# Altium PCB GT502W_QC10.PcbDoc (part 1 of 2) (continued)
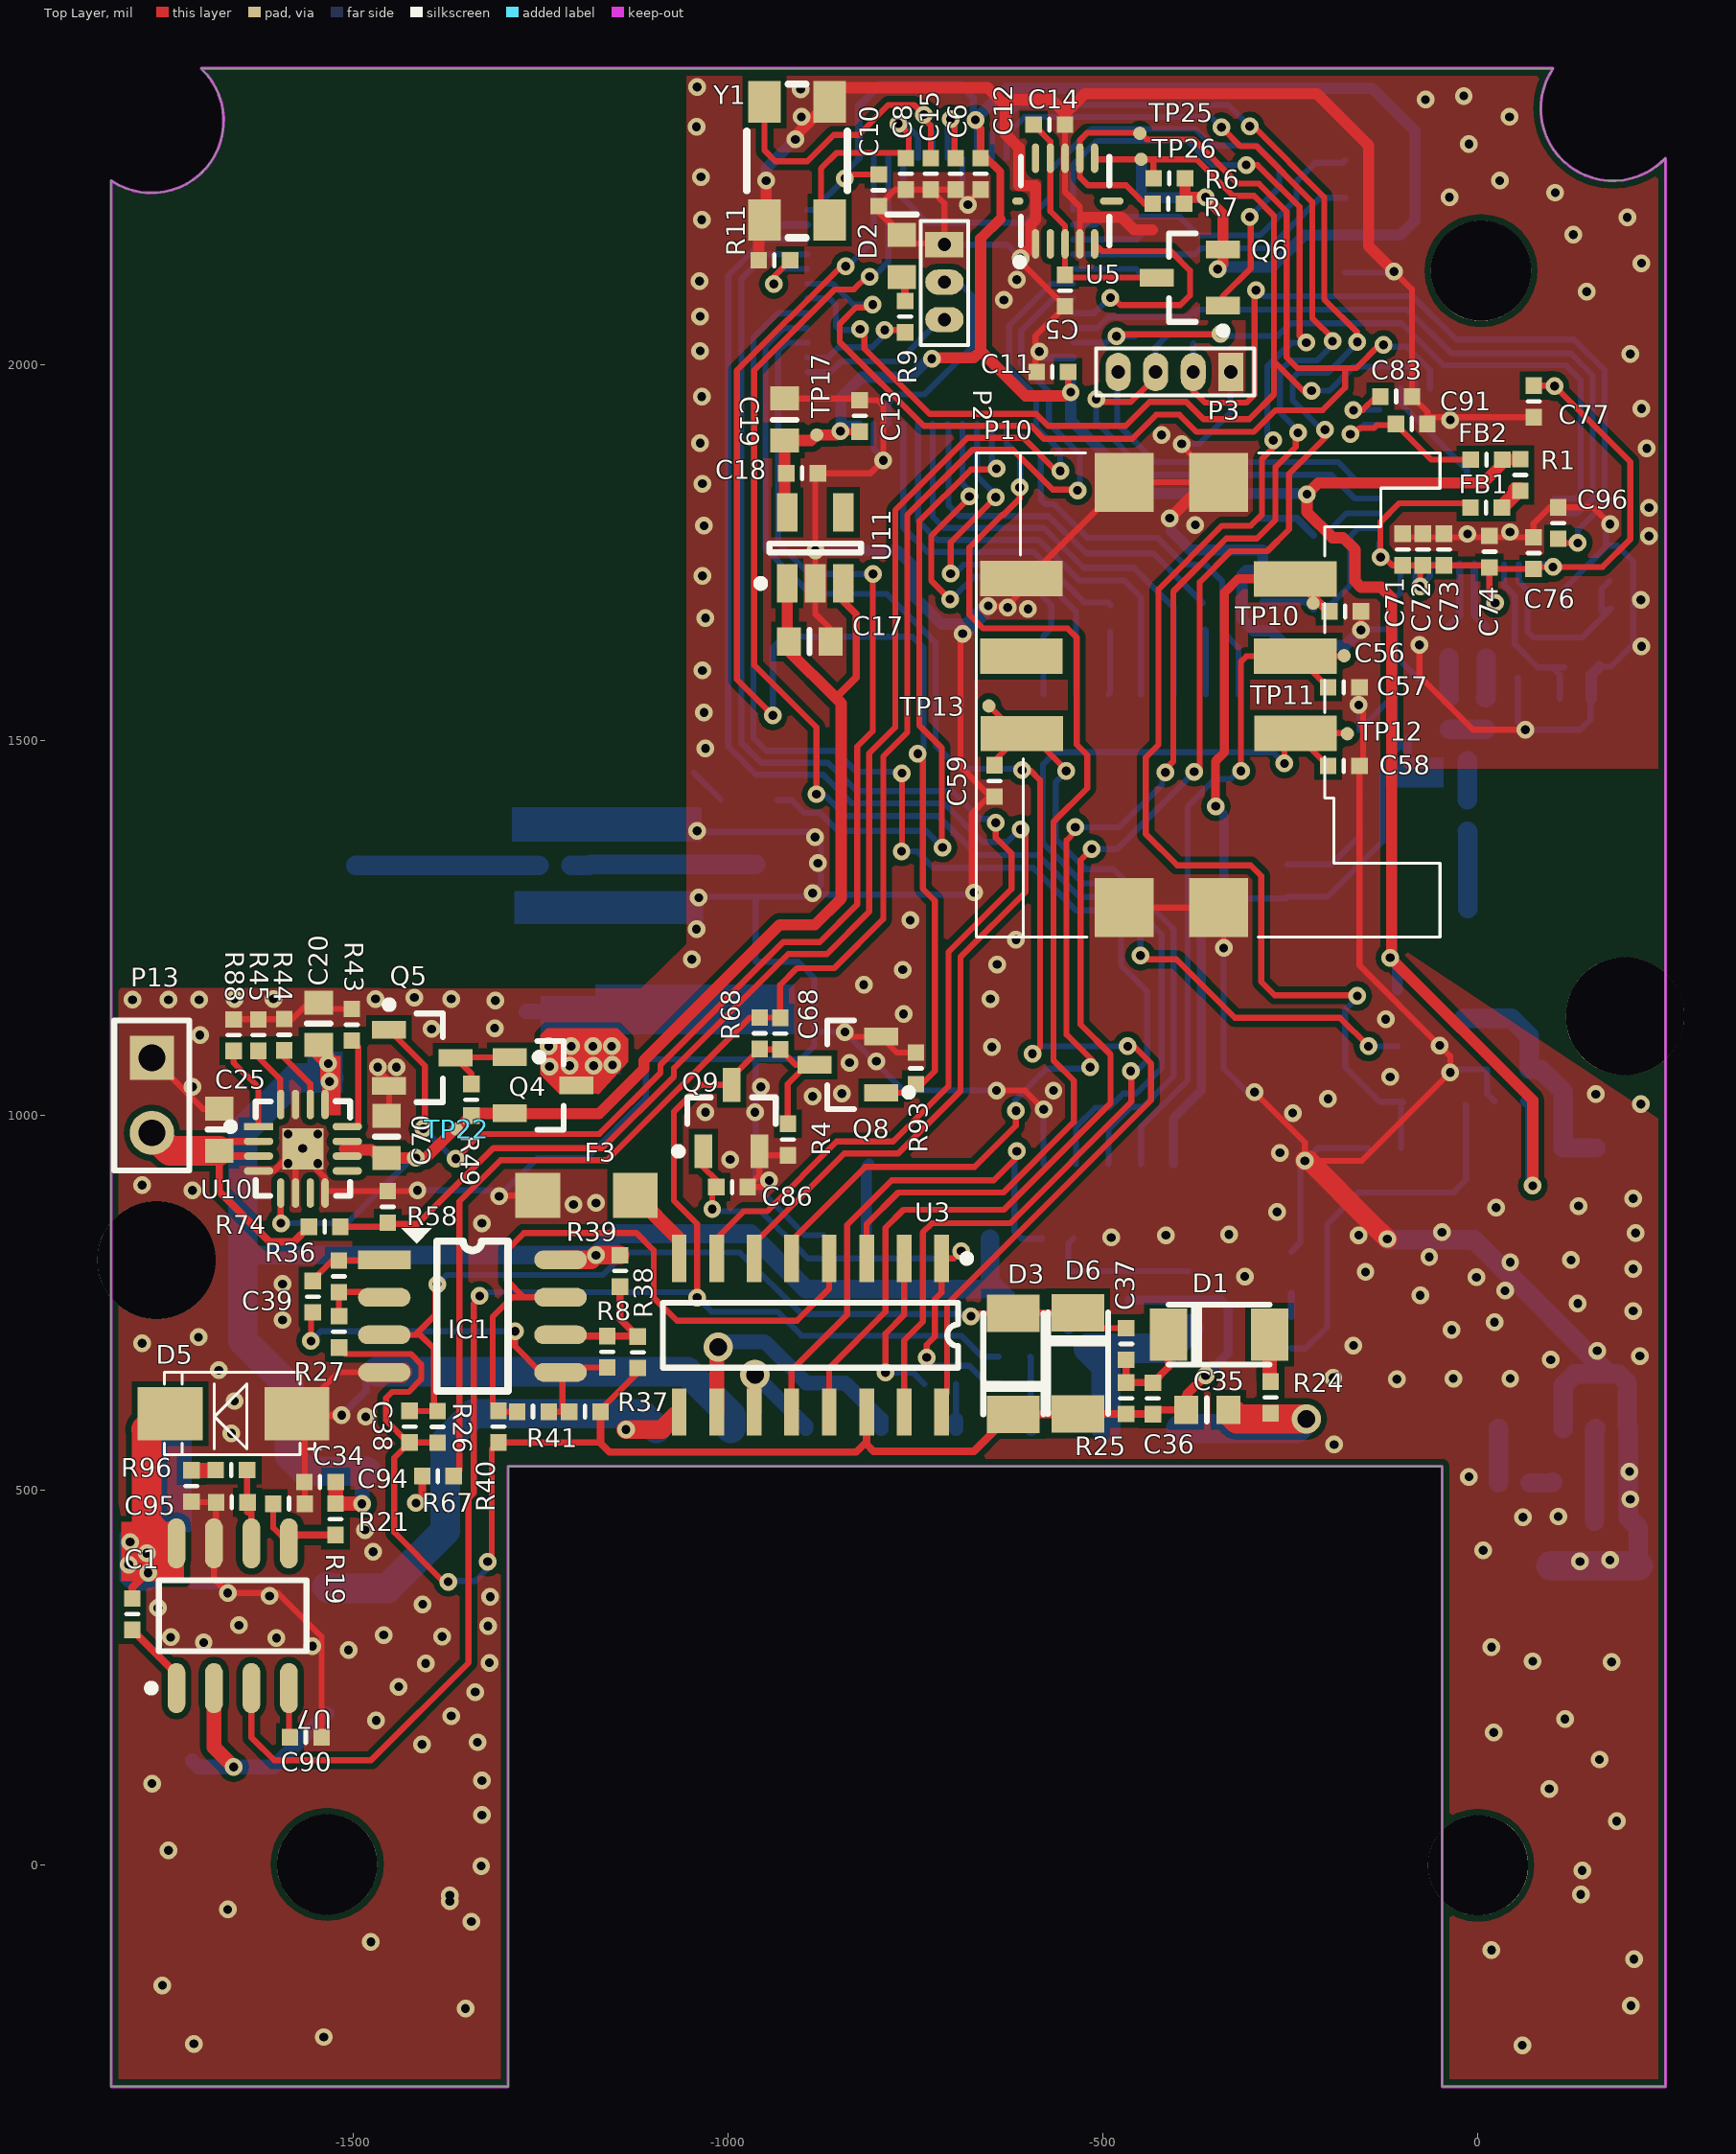
[diagram p0: Top Layer view]
## Components (designator, comment, footprint, x,y, rotation, side; value= is the part's Value field where it differs from the comment) (continued)
P10 "SIM CARD HOLDER" "SIM MF01-412-063X" -668.76,1560.43 r180 top locked
P13 "BAT" HDR1X2 -1768.09,1076.47 r270 top
P22 "IPEX" IPEX 155.55,429.07 r0 bottom
P33 "IPEX" IPEX -1082.97,1333.47 r270 bottom
Q1 "J3Y" SOT23_123 -546.31,792.05 r270 bottom
Q2 "2TY" SOT23_123 -385.68,791.52 r270 bottom
Q3 "BSS84" SOT23-3 -63.24,1129.4 r0 bottom
Q4 "AO3401A" SOT23-3 -1246.46,1039.91 r0 top
Q5 "BSS138" SOT23-3 -1407.55,1076.55 r0 top
Q6 "BSS84" SOT23-3 -384.25,2116.79 r180 top locked
Q8 "BSS138" SOT23-3 -840.08,1067.29 r180 top
Q9 "BSS138" SOT23-3 -995.31,996.18 r90 top
R1 "0.022R-1%" R0402#1 56.48,1853.64 r90 top
R3 "105k-1%" R0402#1 -618.07,678.24 r0 bottom
R4 "26.1k-1%" R0402#1 -920.18,967.61 r90 top
R6 "4k7-5%" R0402#1 -411.61,2249.27 r0 top
R7 "4k7-5%" R0402#1 -412.84,2215.13 r0 top
R8 "220k-5%" R0402#1 -1160.87,684.66 r270 top
R9 "1k-5%" R0402#1 -763.78,2064.71 r270 top
R11 "10k-5%" R0402#1 -938.07,2139.72 r0 top
R19 "38.3k-1%" R0402#1 -1523.37,461.28 r90 top
R21 "10k-1%" R0402#1 -1585.28,482.05 r180 top
R22 "1k-5%" R0402#1 -629.73,835.41 r180 bottom
R23 "1k-5%" R0402#1 -560.44,836.04 r180 bottom
R24 "330k-5%" R0402#1 -276.63,623.81 r270 top
R25 "470k-1%" R0402#1 -469.18,622.63 r270 top
R26 "470k-5%" R0402#1 -1387.33,584.44 r270 top
R27 "330R-5%" R0402#1 -1518.59,711.22 r90 top
R28 "1k-5%" R0402#1 -248.82,710.88 r90 bottom
R31 "1k-5%" R0402#1 -490.73,1665.64 r90 bottom
R33 "1k-5%" R0402#1 -364.05,1668.57 r90 bottom
R35 "1k-5%" R0402#1 -157.41,1404.76 r270 bottom
R36 "220k-5%" R0402#1 -1518.91,785.23 r270 top
R37 "2.2M-5%" R0402#1 -1190.75,604.74 r180 top
R38 "10k-5%" R0402#1 -1120.3,684.05 r270 top
R39 "10k-5%" R0402#1 -1143.95,792.32 r270 top
R40 "10k-5%" R0402#1 -1306.13,584.85 r90 top
R41 "470k-5%" R0402#1 -1259.93,604.65 r0 top
R43 "1k1-5%" R0402#1 -1501.58,1120.61 r90 top
R44 "47k-5%" R0402#1 -1591.75,1107.33 r90 top
R45 "3k-5%" R0402#1 -1625.97,1106.83 r90 top
R49 "10k-5%" R0402#1 -1342.13,1020.61 r90 top
R58 "100k-5%" R0402#1 -1453.58,877.83 r270 top
R60(NA) "1k-5%" R0402#1 -379.3,2050.07 r270 bottom
R61(NA) "1k-5%" R0402#1 -436.29,2038.65 r0 bottom
R67 "100k-5%" R0402#1 -1386.76,518.88 r0 top
R68 "10k-1%" R0402#1 -957.57,1109.25 r90 top
R74 "100k-5%" R0402#1 -1537.8,851.32 r180 top
R77 "10R-5%" R0402#1 48.69,509.63 r180 bottom
R78 "0R" R0402#1 -1230.59,1333.11 r180 bottom
R82 "10k-5%" R0402#1 -617.21,642.41 r180 bottom
R83 "10k-5%" R0402#1 -717.08,641.83 r0 bottom
R88 "10k-5%" R0402#1 -1659.06,1106.83 r90 top
R93 "100k-5%" R0402#2 -749.31,1062.45 r0 top
R96 "64.9k-1%" R0402#1 -1715.35,505.65 r90 top
R99 "56k-5%" R0402#1 -110.57,1668.76 r90 bottom
TP1 "TP" TEST_POINT -99.63,1017.13 r180 bottom
TP2 "TP" TEST_POINT -16.93,1013.92 r180 bottom
TP3 "TP" TEST_POINT -519.43,1685.85 r180 bottom
TP5 "TP" TEST_POINT -387.54,1705.93 r180 bottom
TP6 "TP" TEST_POINT -448.96,1639.39 r90 bottom
TP7 "TP" TEST_POINT -405.26,1636.64 r90 bottom
TP8 "TP" TEST_POINT -535.15,1639.02 r180 bottom
TP9 "TP" TEST_POINT -577.05,1639.04 r270 bottom
TP10 "TP" TEST_POINT -219.83,1682.68 r90 top
TP11 "TP" TEST_POINT -178.49,1612.6 r90 top
TP12 "TP" TEST_POINT -174.16,1508.66 r90 top
TP13 "TP" TEST_POINT -652.11,1545.69 r90 top
TP15 "TP" TEST_POINT 111.46,1010.91 r180 bottom
TP16 "TP" TEST_POINT -1045.24,1456.29 r180 bottom
TP17 "TP" TEST_POINT -881.49,1907.05 r90 top
TP22 "TP" TEST_POINT -1362.04,981.49 r0 top
TP23 "TP" test_point -1269.21,1138.56 r90 bottom
TP24 "TP" TEST_POINT -473.9,2094.53 r270 bottom
TP25 "TP" TEST_POINT -450.83,2309.15 r180 top
TP26 "TP" TEST_POINT -449.25,2274.5 r180 top
U1 "L70R" MAX7 27.17,769.43 r180 bottom
U3 "ULN2003A/SO" SO16-150mil -890.09,706.66 r180 top locked
U4 "STM32F103CBT6TR" TQFP-48-P0.5 -717.1,2098.78 r270 bottom locked
U5 "MMA7660FC" MMA7660FC -550.54,2218.85 r90 top locked
U7 "TPS54232" SOIC127P600-8AL -1660.38,332.68 r90 top
U10 "bq24073" pq24073 -1566.75,955.3 r0 top
U11 "XC6209B332MRN_SOT-25" SOT23-5 -883.56,1756.26 r90 top
U12 "GC10" GC10 -595.02,1580.54 r270 bottom locked
U13 "MX25L8005MC-15G_SOP-8L" SO8-200mil -312.95,2198.31 r180 bottom locked
U20 "CC2540_RHA_40" CC254x -14.67,1851.78 r180 bottom locked
Y1 "8.000 MHZ" "SMD CRYSTAL 4 X 2.5" -907.91,2272.32 r270 top
Y3 "32Mhz" "SMD CRYSTAL 2.5 x 2" 130.12,1637.26 r270 bottom
Y4 "NX3215SA MUA-8 12.5pF" Crystal-3.2x1.5 -219.22,1773.45 r270 bottom

## Footprints (in the part's own frame and the unit in brackets; to place one, negate y for a bottom-side part, rotate by r counter-clockwise, add the part's x,y. Pads: shape width x height; smd on the part's side, far side on the other; paste and mask are expansions set on the pad)
A10192-ANTENOVA [mm]
  rect 0.8x1 smd: 1(-1.4,-0.8) 1(-1.4,0.8) 2(1.4,0)
  body extent -2,-1.52 2,1.48, height 1.3
A10343-GSM850/900/1800/1900/WCDMA [mm] "http://www.antenova-m2m.com/products/giganova-standard-antennas"
  rect 1x2.5 smd: 1(-13.49,3.96)
  rect 1.5x1.5 smd: 2(11.81,0.95) 3(11.81,7) 4(0,7) 5(0,0.95)
  silkscreen extent -14.24,0 12.76,7.95, body extent -14.25,0 12.76,7.95, height 3.3
C0402 [mil]
  rect 22x22 smd: 1(-21,0) 2(21,0)
  silkscreen extent 0,-8 0,8, body extent -20,-10 20,10, height 20
C0603 [mil]
  rect 32x38 smd: 1(0,0) 2(56,0)
  silkscreen extent 28,-16 28,16, body extent -4,-16 59,16, height 12
C1206 [mil]
  rect 60x60 smd: 1(-3.93,0) 2(114.18,0)
  silkscreen extent -55,-31 79,32, body extent -8,-31 118,31, height 63
C1812 [mil]
  rect 80x120 smd: 1(0,0) 2(200.6,0)
  silkscreen extent -67,-59 158,59, body extent -20,-63 216,63, height 99
"CAPACITOR SIZE_C(D5.3)" [mm]
  rect 2.5x1.5 smd: 1(0,0) 2(5.9,0)
  silkscreen extent -1,-2.65 5.6,2.65, body extent 0,-2.65 5.9,2.65, height 5.4
CC254x [mm]
  rect 0.28x0.85 smd: 1(2.25,2.975) 2(1.75,2.975) 3(1.25,2.975) 4(0.75,2.975) 5(0.25,2.975) 6(-0.25,2.975) 7(-0.75,2.975) 8(-1.25,2.975) 9(-1.75,2.975) 10(-2.25,2.975) 21(-2.25,-2.975) 22(-1.75,-2.975) 23(-1.25,-2.975) 24(-0.75,-2.975) 25(-0.25,-2.975) 26(0.25,-2.975) 27(0.75,-2.975) 28(1.25,-2.975) 29(1.75,-2.975) 30(2.25,-2.975)
  rect 0.85x0.28 smd: 11(-2.975,2.251) 12(-2.975,1.75) 13(-2.975,1.25) 14(-2.975,0.75) 15(-2.975,0.25) 16(-2.975,-0.25) 17(-2.975,-0.75) 18(-2.975,-1.25) 19(-2.975,-1.75) 20(-2.975,-2.251) 31(2.975,-2.251) 32(2.975,-1.75) 33(2.975,-1.25) 34(2.975,-0.75) 35(2.975,-0.25) 36(2.975,0.25) 37(2.975,0.75) 38(2.975,1.25) 39(2.975,1.75) 40(2.975,2.251)
  rect 4.5x4.5 smd: 41(0,0)
  silkscreen extent -3.33,-3.33 3.33,3.33, body extent -3.1,-3.08 3.05,3.08, height 1.07
Crystal-3.2x1.5 [mm] "DSX321G"
  rect 1x1.8 smd: 1(0,0) 2(2.5,0)
  silkscreen extent -0.6,-1 3.1,1, body extent -0.36,-0.76 2.86,0.76, height 0.93
DO-213AA [mil]
  rect 50x70 smd: 1(0,0) 2(135,0)
  silkscreen extent 0,-40 135,40, body extent -1,-29 137,28, height 56
"DO-214AC (SMA)" [mm]
  rect 2.2x1.8 smd: 1(-0.899,-0.5) 2(3.397,-0.5)
  silkscreen extent -1.7,-1.9 3.6,0.9, body extent -1.3,-1.8 3.9,0.8, height 2.3
GC10 [mm]
  rect 3x0.8 smd: 1(0.5,7.7)
  rrect50% 3x0.8 smd: 2(0.5,6.6) 3(0.5,5.5) 4(0.5,4.4) 5(0.5,-0.4) 6(0.5,-1.5) 7(0.5,-2.6) 8(0.5,-3.7) 9(0.5,-4.8) 10(0.5,-5.9) 11(0.5,-7) 21(16.4,-7) 22(16.4,-5.9) 23(16.4,-4.8) 24(16.4,-3.7) 25(16.4,-2.6) 26(16.4,-1.5) 27(16.4,-0.4) 28(16.4,4.4) 29(16.4,5.5) 30(16.4,6.6) 31(16.4,7.7) 41(16.4,1.45) 42(16.4,2.55) 43(0.5,2.55) 44(0.5,1.45)
  rrect50% 0.8x3 smd: 12(4.05,-8.65) 13(5.15,-8.65) 14(6.25,-8.65) 15(7.35,-8.65) 16(8.45,-8.65) 17(9.55,-8.65) 18(10.65,-8.65) 19(11.75,-8.65) 20(12.85,-8.65) 32(12.85,9.35) 33(11.75,9.35) 34(10.65,9.35) 35(9.55,9.35) 36(8.45,9.35) 37(7.35,9.35) 38(6.25,9.35) 39(5.15,9.35) 40(4.05,9.35)
  silkscreen extent -0.65,-9.15 16.9,9.85
HDR1X2 [mm] "Connector; Header; 2 Position"
  rect 1.5x1.5 hole 0.9: 1(0,0)
  round 1.5 hole 0.9: 2(2.54,0)
  silkscreen extent -1.27,-1.27 3.81,1.27
HDR1X8 [mm] "Connector; Header; 8 Position"
  rect 1.5x2 smd: 1(0,0) 2(2.54,0) 3(5.08,0) 4(7.62,0) 5(10.16,0) 6(12.7,0) 7(15.24,0) 8(17.78,0)
  silkscreen extent -1.27,-1.27 19.05,1.27
HEADER_1.27mm_3PIN [mm]
  rect 0.85x1.3 hole 0.45: 1(0,0)
  oval 0.85x1.3 hole 0.45: 2(1.27,0) 3(2.54,0)
  silkscreen extent -0.8,-0.8 3.4,0.8
HEADER_1.27mm_4PIN [mm]
  rect 0.85x1.3 hole 0.45: 1(-2.54,0)
  oval 0.85x1.3 hole 0.45: 2(-1.27,0) 3(0,0) 4(1.27,0)
  silkscreen extent -3.34,-0.8 2.02,0.8
IPEX [mm]
  rect 1x1 smd: 1(0,-0.75)
  rect 1.05x2.2 smd: 2(-1.475,0.75) 3(1.475,0.75)
  silkscreen extent -1.5,-0.8 1.5,2.3
LED0603-G [mil]
  rect 32x38 smd: 1(-28,0) 2(28,0)
  silkscreen extent 55,-20 55,19, body extent -32,-16 32,16, height 43
MAX7 [mm]
  rect 0.8x1.8 smd: 1(4.4,4.75) 2(3.3,4.75) 3(2.2,4.75) 4(1.1,4.75) 5(0,4.75) 6(-1.1,4.75) 7(-2.2,4.75) 8(-3.3,4.75) 11(-3.3,-4.75) 12(-2.2,-4.75) 13(-1.1,-4.75) 14(0,-4.75) 15(1.1,-4.75) 16(2.2,-4.75) 17(3.3,-4.75) 18(4.4,-4.75)
  rect 0.7x1.8 smd: 9(-4.4,4.75) 10(-4.4,-4.75)
  silkscreen extent -5.05,-4.85 5.05,4.85, body extent -5.05,-4.87 5.07,4.84, height 0.56
MMA7660FC [mm] "QFN, 12-Leads, Body 3,0x3,0mm (max), Pitch 0,50mm, IPC Medium Density"
  oval 1x0.25 smd: 1(-1.45,1) 2(-1.45,0.5) 3(-1.45,0) 4(-1.45,-0.5) 5(-1.45,-1) 6(1.45,-1) 7(1.45,-0.5) 8(1.45,0) 9(1.45,0.5) 10(1.45,1)
  oval 0.25x0.8 smd: 11(0,-1.58)
  oval 0.25x0.381 smd: 12(0,1.6)
  silkscreen extent -2.19,-1.5 1.5,1.66, body extent -1.5,-1.5 1.5,1.5, height 0.9
pq24073 [mm]
  rect 1x0.25 smd: 1(-1.5,0.75)
  oval 1x0.25 smd: 2(-1.5,0.25) 3(-1.5,-0.25) 4(-1.5,-0.75) 9(1.5,-0.75) 10(1.5,-0.25) 11(1.5,0.25) 12(1.5,0.75)
  oval 0.25x1 smd: 5(-0.75,-1.5) 6(-0.25,-1.5) 7(0.25,-1.5) 8(0.75,-1.5) 13(0.75,1.5) 14(0.25,1.5) 15(-0.25,1.5) 16(-0.75,1.5)
  rect 1.4x1.4 smd: 17(0,0)
  silkscreen extent -2.57,-1.6 1.6,1.61, body extent -1.58,-1.57 1.58,1.58, height 1
PTC1206 [mil]
  rect 60x60 smd: 1(-65,0) 2(65,0)
  body extent -60,-50 66,51, height 27
R0402#1 [mil]
  rect 22x22 smd: 1(-21,0) 2(21,0)
  silkscreen extent 0,-8 0,8, body extent -20,-10 20,10, height 14
R0402#2 [mil]
  rect 22x22 smd: 1(0,-21) 2(0,21)
  silkscreen extent -8,0 8,0, body extent -10,-20 10,20, height 14
SD8350-5R6-R [mil] "Using in PJ2000V1"
  rect 202.73x72 smd: 1(0,82.6) 2(0,-82.6)
  silkscreen extent -110,-125 109,130
"SIM MF01-412-063X" [mm] "http://www.fcn.com.tw/zh/product/ProductList.aspx?Type=13"
  rect 2.8x1.2 smd: 1(-10.8,-3.93) 2(-10.8,-1.31) 3(-10.806,1.295) 5(-1.52,-3.94) 6(-1.526,-1.315) 7(-1.54,1.31)
  rect 2x2 smd: 8(-8.2,7.2) 9(-5,-7.2) 10(-8.2,-7.2) 11(-5,7.2)
  silkscreen extent -15.7,-8.2 0,8.2, body extent -15.7,-8.2 10,8.2, height 2.9
"SMD CRYSTAL 2.5 x 2" [mil]
  rect 47.23x39.37 smd: 1(-39.33,-31.46) 2(39.33,-31.46) 3(39.33,31.46) 4(-39.33,31.46)
  silkscreen extent -71,-59 71,59, body extent -49,-39 49,39, height 22
"SMD CRYSTAL 4 X 2.5" [mm]
  rect 1.4x1.1 smd: 1(-2,-1.1) 2(2,-1.1) 3(2,1.1) 4(-2,1.1)
  silkscreen extent -2.6,-1.7 2.6,1.7, body extent -2,-1.2 2,1.3, height 0.63
SO8-200mil [mm] "8-Pin Plastic Medium Body Small Outline Package 1.27 mm Pitch, IPC Low Density"
  rect 2.5x0.7 smd: 1(-3.45,1.905) 2(-3.45,0.635) 3(-3.45,-0.635) 4(-3.45,-1.905) 8(3.45,1.905)
  rect 2.5x0.6 smd: 5(3.45,-1.905) 7(3.45,0.635)
  oct 2.5x0.6 smd: 6(3.45,-0.635)
  silkscreen extent -3.57,-2.7 1.8,2.93, body extent -3.05,-2.4 2.95,2.5, height 1.7
SO16-150mil [mm] "Small Outline; 16 Leads; Body Width 3.9 mm; Pitch 1.27 mm"
  rect 0.5x1.6 smd: 1(-4.445,-2.6) 2(-3.175,-2.6) 3(-1.905,-2.6) 4(-0.635,-2.6) 5(0.635,-2.6) 6(1.905,-2.6) 7(3.175,-2.6) 8(4.445,-2.6) 9(4.445,2.6) 10(3.175,2.6) 11(1.905,2.6) 12(0.635,2.6) 13(-0.635,2.6) 14(-1.905,2.6) 15(-3.175,2.6) 16(-4.445,2.6)
  silkscreen extent -5.42,-2.72 5,1.1, body extent -4.95,-3.1 4.95,3.1, height 1.7
soic8 [mil]
  rect 70x25 smd: 1(0,0)
  oval 70x25 smd: 2(0,-50) 3(0,-100) 4(0,-150) 5(235,-150) 6(235,-100) 7(235,-50) 8(235,0)
  silkscreen extent 23,-175 165,42, body extent -1,-171 235,21, height 69
SOIC127P600-8AL [mm] "SOIC, 8-Leads, Body 4.9x3.9mm, Pitch 1.27mm, IPC High Density"
  oval 1.7x0.6 smd: 1(-2.45,1.905) 2(-2.45,0.635) 3(-2.45,-0.635) 4(-2.45,-1.905) 5(2.45,-1.905) 6(2.45,-0.635) 7(2.45,0.635) 8(2.45,1.905)
  silkscreen extent -2.57,-2.5 1.2,2.88, body extent -2,-2.5 2,2.5, height 2.72
SOT23-3 [mm] "SOT23, 3-Leads, Body 2.9x1.3mm, Pitch 0.95mm, Lead Span 2.4mm, IPC Medium Density"
  rect 1.15x0.6 smd: 1(-1.125,0.95) 2(-1.125,-0.95) 3(1.125,0)
  silkscreen extent -1.25,-1.5 0.7,1.92, body extent -1.27,-1.46 1.28,1.46, height 0.99
SOT23-5 [mm] "SOT23, 5-Leads, Body 2.9x1.6mm, Pitch 0.95mm, Lead Span 2.8mm, IPC Low Density"
  rect 1.3x0.7 smd: 1(-1.2,0.95) 2(-1.2,0) 3(-1.2,-0.95) 4(1.2,-0.95) 5(1.2,0.95)
  silkscreen extent -1.32,-1.55 0.15,1.97, body extent -0.9,-1.55 0.9,1.55, height 1.45
SOT23_123 [mil]
  rect 40x50 smd: 1(0,0) 2(76,0) 3(38,80)
  silkscreen extent -21,-20 97,100, body extent -21,-9 97,89, height 44
TEST_POINT [mm]
  round 0.45 smd paste-1 mask+0: 1(0,0)
test_point [mm]
  round 0.45 smd paste-1 mask+0: 1(0,0)
TQFP-48-P0.5 [mm] "Thin QFP, 48-Leads, Body 7x7mm, Pitch 0.5mm, IPC Medium Density"
  rect 1.2x0.254 smd: 1(-4.5,2.75) 2(-4.5,2.25) 3(-4.5,1.75) 4(-4.5,1.25) 5(-4.5,0.75) 6(-4.5,0.25) 7(-4.5,-0.25) 8(-4.5,-0.75) 9(-4.5,-1.25) 10(-4.5,-1.75) 11(-4.5,-2.25) 26(4.5,-2.25) 27(4.5,-1.75) 28(4.5,-1.25) 29(4.5,-0.75) 30(4.5,-0.25) 31(4.5,0.25) 32(4.5,0.75) 33(4.5,1.25) 34(4.5,1.75) 35(4.5,2.25) 36(4.5,2.75)
  rect 1.092x0.254 smd: 12(-4.5,-2.75)
  rect 0.254x1.2 smd: 13(-2.75,-4.5) 14(-2.25,-4.5) 15(-1.75,-4.5) 16(-1.25,-4.5) 17(-0.75,-4.5) 18(-0.25,-4.5) 19(0.25,-4.5) 20(0.75,-4.5) 21(1.25,-4.5) 22(1.75,-4.5) 23(2.25,-4.5) 24(2.75,-4.5) 37(2.75,4.5) 38(2.25,4.5) 39(1.75,4.5) 40(1.25,4.5) 41(0.75,4.5) 42(0.25,4.5) 43(-0.25,4.5) 44(-0.75,4.5) 45(-1.25,4.5) 46(-1.75,4.5) 47(-2.25,4.5) 48(-2.75,4.5)
  rect 1.143x0.254 smd: 25(4.5,-2.75)
  silkscreen extent -5.71,-4.5 4.5,4.5, body extent -4.5,-4.5 4.5,4.5, height 1.5

## Part data
C1 C94: library part Cap, "Capacitor"
C5 C6 C10 C11 C12 C13 C14 C18 C39 C49 C55 C56 C68 C71 C72 C73 C74 C76 C77 C86 C91: library part Cap, "CAP CER 0.1UF 16V Y5V 0402"
C8 C15: library part Cap, "CAP CER 15PF 50V 5% NPO 0402"
C17 C19 C20: library part Cap, "CAP CER 1UF 16V Y5V 0603"
C21: library part Cap2, "Capacitor"
C22: library part "Cap Pol3", "CAP ALUM 10UF 35V 20% SMD"
C25 C40 C70: library part Cap, "CAP CER 10UF 6.3V 20% X5R 0603"
C32: library part 4.7uF-10V-C0805, "Non-Polarized Capacitor"
C34: library part 1nF-50V-C0805, "Non-Polarized Capacitor"
C35: library part CN2, "CAP CER 0.1UF 50V Y5V 0603"
C36: library part 1nF-50V-C0805, "CAP CER 3300PF 50V 10% X7R 0402"
C37 C90: library part 10nF-50V-C0805, "Non-Polarized Capacitor"
C38: library part 2.2nF-50V-C0805, "CAP CER 2200PF 50V 10% X7R 0402"
C48: library part "Cap Pol3", "CAP CER 100UF 10V 20% X5R 1812"
C51 C96: library part 10nF-16V-C0402-10%, "CAP CER 10000PF 16V 10% X7R 0402"
C53: library part Cap, "CAP CER 68PF 50V 5% NPO 0402"
C57 C58 C59: library part Cap, "CAP CER 47PF 50V 5% NPO 0402"
C62 C63: library part 0.5pF-50V-C0805, "Non-Polarized Capacitor"
C80 C81 C82: library part 1pF
C83: library part Cap, "CAP CER 1UF 6.3V Y5V 0402"
C95: library part 9pF-50V-C0805, "Non-Polarized Capacitor"
D1 D3 D6: "DIODE SMALL SIG 100V 0.2A ALF2"
D2 D9 D14: library part LED2, "LED GREEN CLEAR THIN 0603 SMD"
D4: library part Diode, "DIODE GEN PURPOSE 1000V 1A SMA"
D5: library part "D Schottky", "DIODE SCHOTTKY 40V 3A SMA"
E1: "Generic Antenna"
E2: library part "Header 5", "Header, 5-Pin"
F3: library part "Fuse 2", "PTC RESETTABLE SMD 1206 16V .25A"
FB1 FB2 L2 L3 L4 L5 L68: library part Inductor, "Inductor"
IC1: "Low-Power Dual Operational Amplifier"
L1: library part Inductor, "Digikey part SD8350-4R7-R"
P2: library part "Header 3", "NA"
P3: library part "Header 4", "Header, 4-Pin"
P4: "Header, 8-Pin"
P10: library part "SIM CARD", "SIM _CONNECTOR_410108105011-2LF"
P13: library part "Header 2", "Header, 2-Pin"
Q1: library part NPN_123, "NPN Bipolar Transistor"
Q2: library part PNP_123, "PNP Bipolar Transistor"
Q3 Q6: library part MOSFET-P, "MOSFET P-CH 50V 130MA SOT23-3"
Q4: library part MOSFET-P, "MOSFET P-CH -30V -4.3A SOT23"
Q5 Q8 Q9: library part MOSFET-P, "MOSFET N-CH 50V 200MA SOT23-3"
R1: library part 0.022R-1%-R0805, "RES 0.022 OHM 1/4W 1% 0805 SMD"
R3: library part 105k-1%-R0805, "RES 105k OHM 1/4W 1% 0805 SMD"
R4: library part 26.1k-1%-R0805, "RES 26.1k OHM 1/4W 1% 0805 SMD"
R6 R7: library part Res1, "RES 4.7K OHM 1/16W 5% 0402 SMD"
R8 R36: library part 220k-5%-R0805, "RES 220k OHM 1/8W 5% 0805 SMD"
R9 R28 R31 R33 R35 R60(NA) R61(NA): library part Res1, "RES 1.0K OHM 1/16W 5% 0402 SMD"
R11 R49 R82 R83 R88: library part Res1, "RES 10K OHM 1/16W 5% 0402 SMD"
R19: library part 38.3k-1%-R0805, "RES 38.3k OHM 1/4W 1% 0805 SMD"
R21: library part 10k-1%-R0805, "RES 10k OHM 1/4W 1% 0805 SMD"
R22 R23: library part 1k-5%-R0805, "RES 1k OHM 1/8W 5% 0805 SMD"
R24: library part 330k-5%-R0805, "RES 330k OHM 1/8W 5% 0805 SMD"
R25: library part 470k-1%-R0805, "RES 470k OHM 1/4W 1% 0805 SMD"
R26 R41: library part 470k-5%-R0805, "RES 470k OHM 1/8W 5% 0805 SMD"
R27: library part 330R-5%-R0805, "RES 330 OHM 1/8W 5% 0805 SMD"
R37: library part 2.2M-5%-R0805, "RES 2.2M OHM 1/8W 5% 0805 SMD"
R38 R39 R40: library part 10k-5%-R0805, "RES 10k OHM 1/8W 5% 0805 SMD"
R43: library part Res1, "RES 1.1K OHM 1/16W 5% 0402 SMD"
R44: library part Res1, "RES 47K OHM 1/16W 5% 0402 SMD"
R45: library part Res1, "RES 1.5K OHM 1/16W 5% 0402 SMD"
R58 R67 R74 R93: library part Res1, "RES 100K OHM 1/16W 5% 0402 SMD"
R68: library part Res1, "RES 10.0K OHM 1/16W 1% 0402 SMD"
R77: library part 10R-5%-R0402, "RES 10 OHM 1/16W 5% 0402 SMD"
R78: library part 0R-0805
R96: library part 64.9k-1%-R0805, "RES 64.9k OHM 1/4W 1% 0805 SMD"
R99: library part 56k-5%-R0805, "RES 56k OHM 1/8W 5% 0805 SMD"
U1: library part MAX-7
U3: library part ULN2003A/SO_0, "IC DARL TRANS ARRAY 16-SOIC"
U4: library part ATmega128_4, "MCU ARM 128K FLASH/TIMER"
U5: "ACCELEROMETER 3X3 DGTL 10-DFN"
U7: library part Component_1
U10: library part BATTERY_CHARGER, "IC LI-ION CHARGE/PWR MGMT 16-QFN"
U13: library part FlashIC
U20: "2.4GHz Bluetooth Low Energy System-on-Chip Solution"
Y1: library part CRYSTAL-SMT, "CRYSTAL 8.000 MHZ 18PF SMD"
Y3: library part XTAL
Y4: library part XTAL/32KHz, "Crystal Oscillator"

## Free pads (board coordinates)
  round 157.48 hole 157.48: 0(-1762.06,806.98) 0(195.94,1131.98)
  round 133.86 hole 133.86: 0(3.94,2125.98) 1(0,0) 2(-1534.39,1.18)

## Via types
v1: diameter 23.62, hole 11.81, Top Layer to Bottom Layer, 342 vias
v2: diameter 11.81, hole 11.81, Top Layer to Bottom Layer, tented top, 5 vias
v3: diameter 39.37, hole 23.62, Top Layer to Bottom Layer, 3 vias

## Nets (pads, with @x,y where several pads share a name; then routed paths per layer and width w, separated by ;. In a path a pad name is that pad's centre, name@x,y a point inside that pad or via, vN(x,y) a via of type N, cw(c..) or ccw(c..) an arc to the next point about the centre after c; other vN are vias at no path point)
2V8: C32.2 U12.29 | length 98.8
  Bottom Layer w15: C32.2@-815.41,837.69 -815.41,931.02 U12.29@-811.56,934.87
3V3: C10.1 C11.1 C12.1 C13.1 C18.2 C19.1 C55.1 FB2.2 Q3.2 Q6.2 R1.2 R6.2 R7.2 TP17.1 U1.6 U4.1 U4.9 U4.24 U4.36 U4.48 U11.5 U13.3 U13.7 U13.8 | length 4716.1
  Top Layer w8: v1(-844,2249) -838.87,2254.13 C10.1@-799,2254.13 ; v1@-546.48,1967.48 C11.1@-546.48,1990.83
  Top Layer w10: v1@-849.4,1911.4 C13.1@-824.37,1911.4 ; v1@-673,2325 -672.5,2324.5 -663.27,2315.27 -663.27,2284.27 -659.17,2280.17 -637,2258 -637,2195
  Top Layer w14: -663,2169 -637,2195
  Top Layer w15: U11.5@-920.96,1803.5 -924.37,1806.91 -924.37,1855.87 C19.1@-924.37,1899.61 -888.92,1899.61 TP17.1@-881.49,1907.05 v1@-854.95,1907.05 ; v1@-728.3,2009.7 -672.3,2009.7 -663,2019 ; -663,2169 -663,2019 ; v1@-552,1959 -603,1959 -663,2019 ; R7.2@-392.43,2214.55 R7.2@-391.84,2215.13 R7.2@-390.61,2216.37 ; R6.2@-390.61,2249.27 R7.2@-390.61,2216.37 ; v1(-347,2128) -339.96,2135.04 Q6.2@-339.96,2154.19 -339.96,2200.96 v1(-363,2224) -382.98,2224 R7.2@-390.61,2216.37 ; v1(-117,1210) 73,1020 v1(73,906) ; v1@-115,1210 -115,1690 -129,1704 -156,1704 -164,1712 -164,1754 -180,1770 -194,1770 -228,1804 v1(-228,1828) -213,1843 7,1843 35.11,1871.11 36,1872 FB2.2@37,1872 ; FB2.2@32.33,1873.9 55.9,1873.9 56.56,1874.56 R1.2@59,1877
  Bottom Layer w8: U4.48@-894.26,2207.05 -885.95,2207.05 v1(-844,2249) ; v1@-844.63,2256.38 U4.1@-825.22,2275.8 ; U4.9@-667.88,2275.95 v1@-667.88,2318.12 ; v1@-539.93,1967.07 U4.24@-539.93,1990.52
  Bottom Layer w10: -840.38,1921.62 U4.36@-825.36,1921.62 ; U4.1@-825.36,2275.95 -825.36,2345.64 -797,2374 -691,2374 -673,2356 -673,2327 v1@-673,2325
  Bottom Layer w15: v1@-849.4,1912.6 -849.4,1956.6 -822,1984 -757,1984 v1@-732.8,2008.2 ; v1@-673,2325 -670.5,2327.5 -629,2369 -141,2369 -84,2312 -84,2193 -103.69,2173.31 U13.3@-177.13,2173.31 -231.69,2173.31 -274,2131 v1@-343,2131 ; v1(-543,1964) -543,1927 -445,1829 v1@-228,1829 ; U13.8@-448.78,2273.31 U13.7@-448.78,2223.31 -363.69,2223.31 v1(-363,2224) ; v1(-117,1210) -107.53,1200.53 Q3.2@-107.53,1166.8 ; C55.1@64.03,1018.54 70.47,1012.1 U1.6@70.47,956.44 70.47,908.53 v1(73,906)
  other v1: -850,1912 -728.3,2008.7 -670,2327
4V4: C17.1 C70.2 Q4.2 R49.1 TP22.1 U10.5 U10.10 U10.11 U11.1 U11.3 | length 1698
  Top Layer w8: U10.5@-1596.27,896.24 -1596.27,856 -1596.27,851.27 -1596,851 v1(-1596,856)
  Top Layer w10: -856.5,1556.5 -829,1584 -829,1668 -846.16,1685.16 U11.3@-846.16,1709.02
  Top Layer w15: -1511,955 -1510,954 -1507.69,954 -1475,954 -1464.05,943.05 C70.2@-1455.12,943.05 v1(-1416,943.05) -1402.95,943.05 -1365.41,980.59 -1362.04,980.59 -1361.59,981.04 -1343.02,999.61 R49.1@-1342.13,999.61 -1339.24,1002.5 Q4.2@-1290.75,1002.5 ; Q4.2@-1284,1002 -1171.83,1002 -1112,1061.83 -1112,1073 -931,1254 -884.2,1254 -849,1289.2 -849,1549 -856.5,1556.5 -918.89,1618.89 C17.1@-918.89,1631.46 -920.96,1633.53 U11.1@-920.96,1709.02
  Bottom Layer w8: v1(-1596,856) -1508,856 -1418.47,945.53 v1@-1417,947
5V: C20.2 C21.1 C94.2 IC1.8 L1.2 Q1.3 R19.2 R22.2 R39.1 U10.13 | length 2085.3
  Top Layer w19.68: C94.2@-1522.84,511.02 -1522.84,482.81 R19.2@-1523.37,482.28 -1488.28,482.28 v1(-1488,482)
  Top Layer w23.62: C20.2@-1546.94,1086.35 -1532,1071.41 -1532,1069 v1@-1532,1050
  Top Layer w25: IC1.8@-1223.22,807.22 -1182.09,807.22 v1(-1176,813.32) R39.1@-1143.95,813.32
  Bottom Layer w19.68: v1(-1488,482) -1488,519.86 C21.1@-1482.4,525.46
  Bottom Layer w25: -1647,818 -1642.32,813.32 v1(-1176,813.32) -1147.32,842 -970,842 -896,768 Q1.3@-647,768 ; L1.2@-1584.86,546.85 L1.2@-1584.37,547.35 ; R22.2@-650.73,835.41 -650.73,797.27 -650.5,797.5 -650.5,778.24 Q1.3@-626.31,754.05
  Bottom Layer w39.37: v1@-1532,1050 -1533,1050 -1576,1050 -1647,979 -1647,818 -1647,700 -1584.86,637.86 L1.2@-1584.86,546.85 -1563.47,525.46 C21.1@-1482.4,525.46
  other v1: -1531.2,1044.8 -1533,1069
*DIN1: P4.6 R3.2 R82.1 | length 100.1
  Bottom Layer w8: R3.2@-597.07,678.24 -596.21,677.39 R82.1@-596.21,642.41 -596.21,582.57 P4.6@-595.92,582.28
  Bottom Layer w19.68: P4.6@-595.92,582.28 P4.6@-595.92,585.92
*DIN2: P4.5 R83.2 | length 71.3
  Bottom Layer w8: R83.2@-696.08,641.83 -695.92,641.68 P4.5@-695.92,582.28
  Bottom Layer w19.68: P4.5@-695.92,582.28 P4.5@-695.92,593.92
*DOUT1: P4.4 U3.10 | length 357
  Top Layer w19.68: U3.10@-1015.09,604.3 v3@-1015.09,686
  Bottom Layer w19.68: v3(-1013,691) -1006,698 -951,698 -896,643 -844,643 -795.92,594.92 P4.4@-795.92,582.28
*DOUT2: P4.3 U3.11 | length 149.6
  Top Layer w19.68: U3.11@-965.09,604.3 v3@-965.09,654
  Bottom Layer w19.68: v3(-964,654) -895.92,585.92 P4.3@-895.92,582.28
*RFID_CLK: R22.1 R23.2 U3.12 | length 699.7
  Top Layer w8: U3.12@-915.09,604.3 -915.09,659.91 -841,734 -841,854 -781.62,913.38 -645.62,913.38 -615,944 v1(-615,952)
  Bottom Layer w8: v1@-618,952 -618,844.69 R22.1@-608.73,835.41 -582.07,835.41 R23.2@-581.44,836.04
*RFID_DEMOD: IC1.7 R40.2 R41.1 U3.4 | length 917.3
  Top Layer w8: R40.2@-1306.13,605.85 -1304.93,604.65 R40.2@-1301.65,604.65 ; R40.2@-1299,602 R40.2@-1301.65,604.65 ; R41.1@-1280.93,604.65 R40.2@-1301.65,604.65 ; IC1.7@-1223.22,757.22 -1272.22,757.22 ; U3.4@-865.09,809.02 -865.09,768.91 -908,726 -1068,726 -1099,757 -1099,820 -1122,843 -1272,843 -1295,820 -1295,780 -1272.22,757.22 ; R40.2@-1301.65,604.65 -1313.81,616.81 -1313.81,731.19 -1287.78,757.22 -1272.22,757.22
*RFID_GND: U3.3 U4.26 | length 1512.3
  Top Layer w8: U3.3@-815.09,803.12 U3.3@-815.09,809.02 -815.09,854.91 -773,897 -633,897 -539,991 -539,1046 -566,1073 -566,1391 -521,1436 -521,1480 -535,1494 -535,1637 -547,1649 -659.76,1649 -678,1667.24 -678,1757 -634.81,1800.19 -633.14,1800.19 -611,1822.33 v1(-611,1837)
  Bottom Layer w8: U4.26@-628.51,1921.62 -628.51,1895.51 -610.3,1877.3 -610.3,1837.7 v1(-611,1837)
ACCEL_EN: Q6.1 U4.4 | length 868
  Top Layer w8: Q6.1@-339.96,2079.39 -339.96,2092.04 -303,2129 v1@-303,2188
  Bottom Layer w8: U4.4@-766.31,2275.95 -766.31,2222.31 -734.19,2190.19 -603.81,2190.19 -570.22,2223.78 -570.22,2259.78 -514.91,2315.09 -377.09,2315.09 -355,2293 -295,2293 -265,2263 -265,2237 v1(-304.2,2197.8)
ACCEL_VCC: C5.2 C14.2 Q6.3 U5.3 U5.9 | length 336
  Top Layer w8: C14.2@-589,2317 -570.22,2298.22 U5.9@-570.22,2275.93 -570.22,2205.22 -550.54,2185.54 U5.3@-550.54,2161.76 C5.2@-550.54,2120.46 -546.87,2116.79 Q6.3@-428.54,2116.79
ACCL_INT: TP24.1 U4.20 U5.5 | length 349
  Top Layer w8: U5.5@-511.17,2161.76 -501.41,2152 -410,2152 -384,2126 -384,2093 -397,2080 -477,2080 -487,2090 v1(-490,2090)
  Bottom Layer w8: U4.20@-539.93,2069.26 -511.74,2069.26 -491,2090 v1(-490,2090)
AMP1: C37.2 C38.2 D3.1 D6.2 IC1.3 R26.1 | length 1259.6
  Top Layer w8: IC1.3@-1458.22,707.22 -1416.78,707.22 ; C38.2@-1424.43,605.77 -1424.11,605.44 R26.1@-1387.33,605.44 -1392,610.11 -1392,689 -1410.22,707.22 -1416.78,707.22 ; v1(-1387.76,774.76) -1390,772.52 -1390,734 -1416.78,707.22 ; v1@-675.98,736.02 D3.1@-619.52,736.02 -618.76,736.78 D6.2@-533.24,736.78 -512.47,716 C37.2@-469.07,716
  Bottom Layer w8: v1(-1387.76,774.76) -1375.52,787 -1167,787 -1137,817 -984,817 -902,735 -677,735 v1@-673.12,738.88
  other v1: -676,732
AMP2: C39.2 IC1.1 R36.1 | length 100
  Top Layer w8: C39.2@-1549,785 -1527.3,806.7 -1458.74,806.7 IC1.1@-1458.22,807.22
CC_UART_RX: R60(NA).1 U4.21 U20.18 | length 968
  Bottom Layer w8: U4.21@-539.93,2049.57 -507.43,2049.57 -493,2064 -386.37,2064 -379.3,2071.07 -376.24,2068 -376.24,2074 -94,2074 -36,2016 123.37,2016 153,1986.37 153,1822.63 132.93,1802.56 U20.18@102.45,1802.56
CC_UART_TX: R61(NA).1 U4.22 U20.17 | length 953.1
  Top Layer w8: v1(-482,2038.65) -487.35,2038.65 -482.39,2040.05 -479,2041 -351,2041 -346.5,2045.5 v1@-346,2046
  Bottom Layer w8: U4.22@-539.93,2029.89 -496.11,2029.89 -487.35,2038.65 v1(-482,2038.65) -457.29,2038.65 ; v1(-343,2042) v1@-342.5,2042.5 ; v1@-341,2046 -344,2043 -343,2043 v1@-342.5,2042.5 ; v1@-340,2040 v1@-342.5,2042.5 ; U20.17@102.45,1822.25 129.99,1822.25 137,1829.25 137,1979.75 116.75,2000 -46,2000 -102,2056 -250,2056 -267,2039 -339,2039 v1@-342.5,2042.5
DBG_CLK: P3.3 R61(NA).2 U20.34 | length 603.6
  Top Layer w8: v1@-505,1951 -463,1951 -429.74,1984.26 P3.3@-429.74,1990.93 P3.3@-427,1988.19
  Bottom Layer w8: v1(-509,1955) -509,1924 -439,1854 -196,1854 -164.25,1822.25 U20.34@-131.8,1822.25 ; P3.3@-429.74,1990.93 -429.74,2024.2 -415.29,2038.65
DBG_DATA: P3.4 U20.35 | length 451.8
  Bottom Layer w8: P3.4@-479.74,1990.93 -481,1989.66 -481,1922 -430,1871 -187,1871 -157.94,1841.94 U20.35@-131.8,1841.94
DIN1: U3.16 U4.40 | length 2028
  Top Layer w8: U3.16@-715.09,598.39 U3.16@-715.09,604.3 -715.09,622.91 -708,630 -708,748 -436,1020 -436,1069 v1@-461,1094 ; v1(-608,1460) -597,1460 -584,1447 -584,1091 -593.5,1081.5 v1@-594,1081
  Bottom Layer w8: U4.40@-894.26,2049.57 -925.44,2049.57 -950,2025.02 -950,1755 -890,1695 -788,1695 -723.17,1630.17 -723.17,1493.17 -692,1462 v1@-615,1462 ; v1@-596,1079 -593.5,1081.5 -583,1092 v1(-467,1092)
  other v1: -594,1082
DIN2: U3.15 U4.41 | length 2142.4
  Top Layer w8: v1@-768,1351.82 v1(-768,1456) v1@-768,1458 ; U3.15@-765.09,598.39 U3.15@-765.09,604.3 -765.09,699.91 -740,725 -740,844 -728,856 -624,856 -462,1018 v1@-462,1059
  Bottom Layer w8: U4.41@-894.26,2069.26 -933.6,2069.26 -966,2036.85 -966,1503 -949,1486 -857,1486 -829,1458 v1@-768,1458 ; v1@-768,1351.82 -747.82,1351.82 -726,1330 -593,1330 -536,1273 -498.92,1273 -476,1250.08 -476,1200 -441,1165 -441,1073 -455,1059 v1(-463,1059)
  other v1: -768.57,1351.82
FL_CS: U4.14 U13.1 | length 432.6
  Bottom Layer w8: U4.14@-539.93,2187.37 -509.63,2187.37 -499,2198 -398,2198 -373,2173 -291,2173 -242,2222 -242,2245 -217,2270 -180.43,2270 U13.1@-177.13,2273.31